# Altium PCB UVM AERO BSPD.PcbDoc (part 2 of 2)
Units mil, origin at the board's own origin, x right, y up, seen from the top; angles counter-clockwise.
Board outline 3235 x 3490 mil, 2 copper layers (Top Layer, Bottom Layer), stack 60.8 mil thick; 126 components, 66 nets, 329 pads, 91 vias.
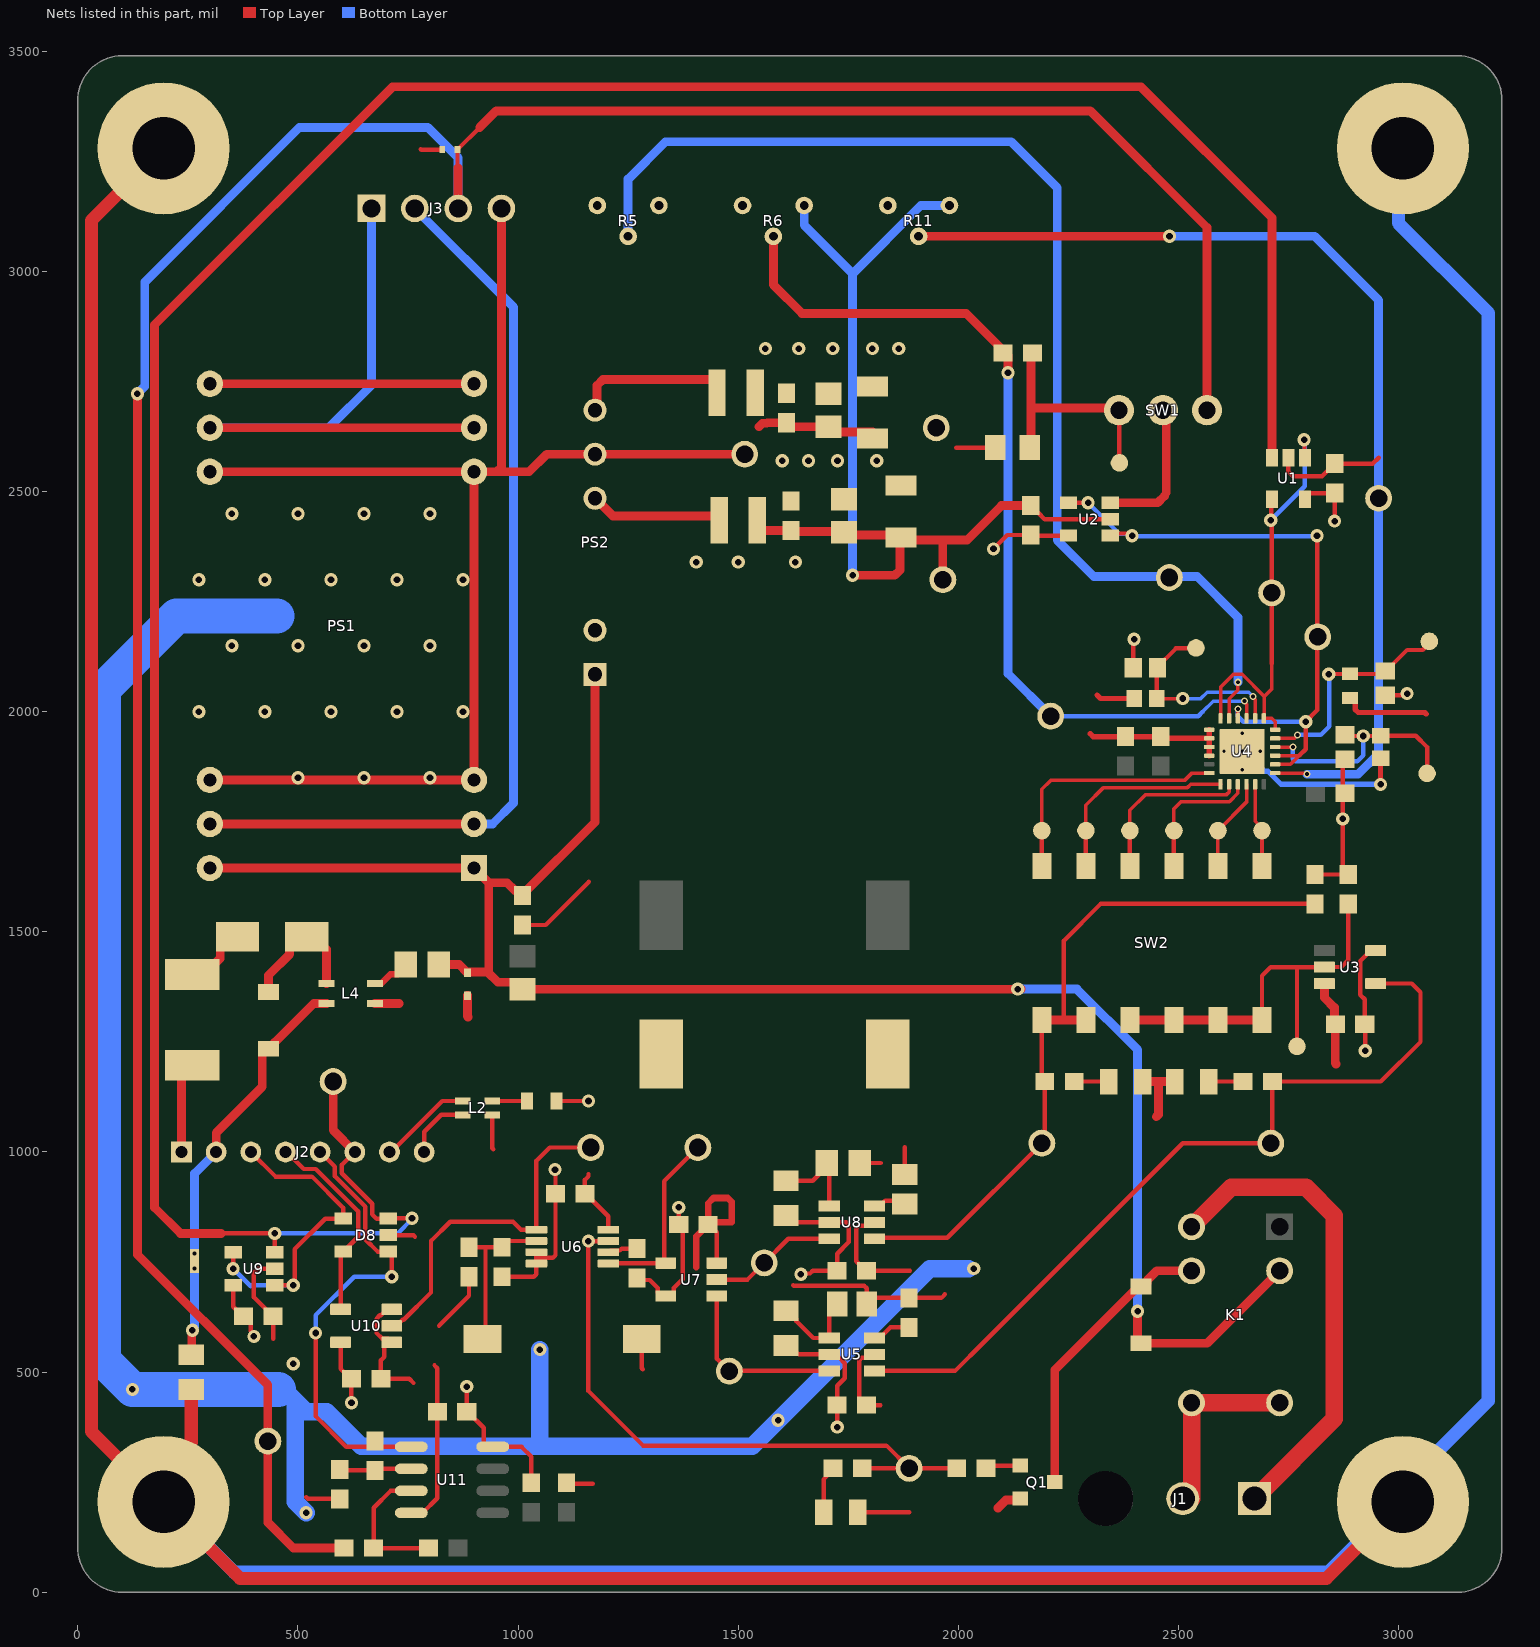
[diagram p2: the nets of this part, all layers, seen from the top]

## Via types
v1: diameter 30, hole 15, Top Layer to Bottom Layer, tented both sides, 79 vias
v2: diameter 16, hole 9, Top Layer to Bottom Layer, tented both sides, 7 vias
v3: diameter 19.68, hole 7.87, Top Layer to Bottom Layer, tented both sides, 5 vias

## Nets (pads, with @x,y where several pads share a name; then routed paths per layer and width w, separated by ;. In a path a pad name is that pad's centre, name@x,y a point inside that pad or via, vN(x,y) a via of type N, cw(c..) or ccw(c..) an arc to the next point about the centre after c; other vN are vias at no path point) (continued)
+5: C2.2 C3.2 C4.2 C10.2 C11.2 C14.2 C15.2 C17.2 C18.2 C19.2 C20.2 C21.2 C22.2 F1.1 FB2.1 L1.2 R3.2 R4.2 R5.1 R6.1 R7.1 R8.2 R9.2 R10.2 R11.1 R16.2 R19.2 R21.2 R22.1 R32.2 TP15.1 U1.5 U2.5 U3.5 U5.5 U6.7 U6.8 U7.5 U8.5 U9.5 U10.5 U11.8 | length 3155.4
  Top Layer w10: U9.5@352.76,697.32 352.76,648.31 374.57,626.5 C20.2@376.54,626.5 378.5,626.5 393.19,611.81 393.19,593.22 400,586.41 v1(400,581) ; U10.5@596.93,567.6 596.93,507.64 619.57,485 C21.2@621.54,485 v1(621.54,430.36) ; v1(883.46,467) C22.2@883.46,410 885.43,410 921.93,373.5 921.93,336.29 928.22,330 U11.8@942.52,330 1007.99,330 1030,307.99 R32.2@1030,248.46 ; R22.1@963.46,716.54 1035.91,716.54 1041.77,722.39 U6.8@1041.77,746.61 1041.77,759.41 ; U6.7@1041.77,772.2 1041.77,759.41 ; v1(1083.96,960) 1085,958.96 C19.2@1085,905 1085,765.27 1079.14,759.41 1041.77,759.41 ; F1.1@1086.93,1115.75 v1(1160,1115.75) ; R19.2@1270.28,713.54 1274.74,709.07 1298.92,709.07 1317.14,690.85 1317.14,680.39 1324.94,672.6 U7.5@1335.39,672.6 1345.85,672.6 1353.65,680.39 1353.65,690.85 1373.78,710.98 1373.78,826.22 C18.2@1365,835 v1(1365,874) ; R16.2@1608.46,560.63 1627.09,542.01 1635.86,542.01 1637.87,540 U5.5@1706.89,540 1714.09,532.8 1729.06,532.8 1741.91,519.95 1741.91,485.84 1725,468.93 C17.2@1725,425 v1(1725,375) ; R21.2@1608.46,855.63 1624.09,840 U8.5@1706.89,840 1745.67,840 1751.53,834.14 1751.53,795.46 1725,768.93 C15.2@1725,730 1669.29,730 1663.14,723.85 1644.42,723.85 v1(1642.57,722) ; 1995,2600 R3.2@2083.82,2600 ; v1(2080,2370) 2111.54,2401.54 C11.2@2165,2401.54 2166.54,2400 U2.5@2250.51,2400 ; R10.2@2397.44,2100 2397.44,2162.72 v1(2399.41,2164.68) ; U1.5@2787.4,2482.76 2787.4,2487.76 2796.18,2496.54 C10.2@2855,2496.54 v1(2855,2433) ; R7.1@2810.5,1630.31 R4.2@2885.86,1630.31 2873.46,1642.71 v1(2873.46,1756.5) 2873.46,1887.25 R8.2@2878.5,1892.28 ; v1(2924.5,1230) 2924.5,1288.96 C14.2@2923.46,1290 2923.46,1346.75 2913.45,1356.76 2913.45,1433.61 2937.24,1457.4 U3.5@2948.07,1457.4 ; R9.2@2970,2037.44 3015.93,2037.44 v1(3019.65,2041.16)
  other v1: 1561.93,2825 1637.82,2825 1715,2825 1805,2825 1865,2825
+5_EXT: J2.7 L2.3 | length 214.7
  Top Layer w10: J2.7@707.95,1000 712.03,1000 827.78,1115.75 L2.3@874.7,1115.75
+5_EXT_F: F1.2 L2.4 | length 78.4
  Top Layer w10: L2.4@941.63,1115.75 F1.2@1020,1115.75
+5_OUT: L1.1 PS2.7 | length 355.3
  Top Layer w20: PS2.7@1175,2685 1179.37,2689.37 1179.37,2741.14 1193.23,2755 1442.01,2755 1451.69,2745.31 L1.1@1451.69,2730
+12: C1.2 D3.1 D6.2 FB1.2 K1.2 PS1.1 PS1.24 PS2.1 R1.1 | length 4248.1
  Top Layer w20: PS1.24@300,1645 PS1.1@900,1645 933.31,1611.69 ; FB1.2@819.8,1425.75 866.36,1425.75 D3.1@885,1407.11 886.52,1408.62 933.31,1408.62 933.31,1611.69 ; 931.11,1408.62 954.44,1385.3 994.41,1385.3 R1.1@1010,1369.7 2142.97,1369.7 2143.2,1369.94 v1(2135.36,1369.94) ; C1.2@1010,1582.48 1010,1584.45 1000.31,1594.13 992.35,1594.13 974.8,1611.69 933.31,1611.69 ; C1.2@1010.55,1585 1175,1749.45 PS2.1@1175,2085 ; v1(2407.42,638.01) 2407.42,573.36 D6.2@2415.28,565.5 2565.5,565.5 K1.2@2730,730
  Bottom Layer w20: v1(2135.36,1369.94) 2269.58,1369.94 2407.42,1232.09 v1(2407.42,638.01)
+15: J3.1 PS1.11 PS1.14 | length 1408.5
  Top Layer w20: PS1.14@300,2645 PS1.11@900,2645
  Bottom Layer w20: PS1.14@300,2645 570,2645 667,2742 J3.1@667.03,3143.31
-5: C5.1 C6.1 C7.1 C11.1 L3.2 R6.3 R11.3 TP16.1 U2.2 | length 2322.1
  Top Layer w10: C11.1@2165,2468.46 2165,2466.5 2179.69,2451.81 2181.65,2451.81 2196.06,2437.4 U2.2@2345,2437.4
  Top Layer w20: L3.2@1543.31,2445 1543.31,2421.22 1552.99,2411.54 C5.1@1620,2411.54 1621.97,2409.57 1738.03,2409.57 C6.1@1740,2407.6 1745.83,2401.77 1864.17,2401.77 1867.66,2398.28 1867.66,2321.72 1855.94,2310 v1(1760,2310) ; C7.1@1875.94,2390 1965,2390 ; TP16.1@1965,2300 1965,2390 ; C11.1@2165,2468.46 2098.46,2468.46 2020,2390 1965,2390
  Bottom Layer w20: R6.3@1650,3150 1650,3105 1760,2995 ; v1(1760,2310) 1760,2995 ; R11.3@1980,3150 1915,3150 1760,2995
-5_OUT: L3.1 PS2.5 | length 298.3
  Top Layer w20: PS2.5@1175,2485 1215,2445 L3.1@1456.69,2445
-15: J3.2 PS1.2 PS1.23 | length 2153
  Top Layer w20: PS1.23@300,1745 PS1.2@900,1745
  Bottom Layer w20: J3.2@765.45,3143.31 989.86,2918.9 989.86,1793.03 941.83,1745 PS1.2@900,1745
\OOR_FLT: R4.1 SW2.9 SW2.10 SW2.11 SW2.12 TP7.1 U3.2 | length 919
  Top Layer w10: SW2.12@2690,1299.61 2690,1400.31 2709.68,1420 2769.53,1420 ; TP7.1@2769.53,1240 2769.53,1420 ; R4.1@2885.86,1563.39 2885.86,1435.54 2870.55,1420.24 2832.17,1420.24 U3.2@2831.93,1420 2769.53,1420
  Top Layer w20: SW2.9@2390,1299.61 SW2.10@2490,1299.61 SW2.11@2590,1299.61 SW2.12@2690,1299.61
\RST: C16.1 R22.2 SW3.1 U6.6 | length 391.7
  Top Layer w10: C16.1@888.46,783.46 925.96,783.46 ; SW3.1@925.96,550.96 925.96,783.46 ; U6.6@1041.77,797.8 977.8,797.8 R22.2@963.46,783.46 925.96,783.46
BRAKE_BUF: TP3.1 U1.1 U1.4 U4.6 U4.7 U4.12 | length 1013.6
  Top Layer w8: U4.12@2595.79,1984.8 2595.79,2055.52 2625.26,2085 2644.95,2085 2695.2,2034.75 ; U4.7@2694.21,1984.8 2694.21,1984.92 2694.29,1985 2712.3,1985 2719.8,1977.5 U4.6@2719.8,1959.21 ; U4.7@2695.2,1985 2695.2,2034.75 ; 2712,2109.36 2712,2051.54 2695.2,2034.75
  Top Layer w10: 2712,2109.36 TP3.1@2712,2270 2712,2433 v1(2710,2435) 2711.3,2436.3 2711.3,2481.46 U1.4@2712.6,2482.76 ; v1(2785.57,2617.66) 2786.48,2616.75 2786.48,2578.16 U1.1@2787.4,2577.24
  Bottom Layer w10: v1(2710,2435) 2787.4,2512.4 2787.4,2615.83 v1(2785.57,2617.66)
BRAKE_IN: D8.3 J2.6 TP1.1 U1.3 U9.3 | length 6581.7
  Top Layer w10: 325.13,815 v1(447.24,815) U9.3@447.24,772.12 ; J2.6@629.21,1000 599.68,970.47 599.68,951.73 668.95,882.47 668.95,858.15 678.69,848.4 D8.3@704.98,848.4 ; D8.3@704.98,849.3 v1(759.1,849.3)
  Top Layer w20: 325.13,815 233.1,815 174.15,873.95 174.15,2879.15 715,3420 2415,3420 2712.6,3122.4 U1.3@2712.6,2577.24 ; TP1.1@580,1171 580,1049.21 J2.6@629.21,1000
  Bottom Layer w10: v1(447.24,815) 726.6,815 759.1,847.5 v1(759.1,849.3) ; J2.6@629.21,1000 J2.6@636.12,993.1
BRAKE_OOR_H: R10.1 R14.2 TP20.1 U4.8 | length 459
  Top Layer w8: R14.2@2450.59,2030 v1(2510,2030) ; v2(2669.75,2034.75) 2669.75,2032.58 2674.53,2027.8 U4.8@2674.53,1984.8
  Top Layer w10: R14.2@2450.59,2030 2450.59,2100 2494.49,2143.9 2538.9,2143.9 TP20.1@2540,2145
  Bottom Layer w8: v1(2510,2030) 2551.16,2030 2565.5,2044.33 2660.16,2044.33 v2(2669.75,2034.75)
BRAKE_OOR_L: R9.1 R13.2 TP19.1 U4.5 | length 501.9
  Top Layer w8: U4.5@2719.8,1939.53 2764.34,1939.53 2770.3,1945.49 v2(2770.3,1947.4)
  Top Layer w10: v1(2841.77,2085) 2842.49,2085.72 2963.16,2085.72 R9.1@2970,2092.56 ; R9.1@2971.97,2092.56 3019.65,2140.24 3055.24,2140.24 TP19.1@3065,2150
  Bottom Layer w10: v2(2770.3,1947.4) 2823.21,1947.4 2842.54,1966.73 2842.54,2084.23 v1(2841.77,2085)
BRAKE_OUT: D8.4 J2.3 U9.1 U9.4 | length 749.1
  Top Layer w10: v1(352.76,734.72) U9.4@352.76,772.12 U9.4@358.66,772.12 ; J2.3@392.99,1000 448.99,944 531.8,944 603.02,872.79 D8.4@603.02,848.4 561.87,848.4 492.31,778.84 492.31,700.27 v1(489.37,697.32) U9.1@447.24,697.32
  Bottom Layer w10: v1(352.76,734.72) 392.86,694.62 395.56,697.32 v1(489.37,697.32)
BRAKE_THRESH: R5.2 TP6.1 U4.11 | length 2704.6
  Top Layer w8: U4.11@2615.47,1984.8 2615.47,2029.35 2635.16,2049.04 v2(2635.16,2067)
  Bottom Layer w10: 2635,2215 2635.16,2214.84
  Bottom Layer w20: R5.2@1250,3080 1250,3210 1335,3295 2120,3295 2225,3190 2225,2825 2225,2390 2307.68,2307.32 2479.57,2307.32 2542.68,2307.32 2635,2215 ; v2(2635.16,2067) 2635.16,2214.84
BSPD_FLT: R7.2 R20.1 SW2.7 SW2.8 TP25.1 U8.1 | length 1637.4
  Top Layer w10: U8.1@1810.04,802.6 1812.26,804.82 1974.82,804.82 TP25.1@2190,1020 ; SW2.7@2190,1299.61 2190,1166.54 R20.1@2196.54,1160 TP25.1@2196.54,1020 ; 2240,1300 2240,1480 2323.39,1563.39 R7.2@2810.5,1563.39
  Top Layer w20: SW2.7@2190,1299.61 SW2.8@2290,1299.61
BSPD_OK: R25.1 R26.1 TP27.1 U6.3 | length 1402.1
  Top Layer w10: U6.3@1205.16,797.8 1204.95,797.58 1159.99,797.58 v1(1159.78,797.37) 1159.78,456.95 1283.8,332.93 1836.87,332.93 TP27.1@1888.5,281.3 ; R26.1@1781.93,281.3 TP27.1@1888.5,281.3 ; R25.1@1996.54,281.3 TP27.1@1888.5,281.3
CHASS: NT1.2 R27.1 | length 197.8
  Top Layer w20: R27.1@254.57,539.37 258.94,543.74 v1@258.94,593.66
  Bottom Layer w20: v1(260.28,595) 260.28,597.71 265.13,602.56 NT1.2@265.13,734.72
CO1: SW2.1 TP8.1 U4.23 | length 191.6
  Top Layer w8: U4.23@2674.53,1835.2 2674.53,1751.43 2690,1735.95 TP8.1@2690,1730
  Top Layer w10: SW2.1@2690,1650 TP8.1@2690,1730
CO2: SW2.2 TP9.1 U4.22 | length 212.1
  Top Layer w8: SW2.2@2590,1650 TP9.1@2590,1730 2654.84,1794.84 U4.22@2654.84,1835.2
CO3: SW2.3 TP10.1 U4.21 | length 309.9
  Top Layer w8: TP10.1@2490,1730 2490,1780 2505.88,1795.88 2616.08,1795.88 2635.08,1814.88 2635.08,1835.12 U4.21@2635.16,1835.2
  Top Layer w10: SW2.3@2490,1650 TP10.1@2490,1730
CO4: SW2.4 TP11.1 U4.20 | length 379.2
  Top Layer w8: TP11.1@2390,1730 2390,1775.88 2426,1811.88 2609.46,1811.88 2615.31,1817.74 2615.31,1826.42 2615.39,1826.5 U4.20@2615.39,1828.39
  Top Layer w10: SW2.4@2390,1650 TP11.1@2390,1730
CO5: SW2.5 TP12.1 U4.19 | length 463.3
  Top Layer w8: TP12.1@2290,1740 2290,1787.88 2330,1827.88 2520.74,1827.88 2528.06,1835.2 U4.19@2595.79,1835.2
  Top Layer w10: SW2.5@2290,1650 TP12.1@2290,1730 TP12.1@2290,1740
CO6: SW2.6 TP13.1 U4.18 | length 569.4
  Top Layer w8: TP13.1@2190,1730 2190,1823.88 2210,1843.88 2514.12,1843.88 2531.02,1860.79 U4.18@2570.2,1860.79
  Top Layer w10: SW2.6@2190,1650 TP13.1@2190,1730
CUR_BUF: TP4.1 U2.1 U2.4 U4.2 U4.3 U4.10 | length 1462.3
  Top Layer w8: U4.10@2635.16,1984.8 v2(2635.16,2005.9) ; U4.2@2719.8,1880.47 2754.74,1880.47 2774.59,1900.33 2775.75,1901.49 ; U4.3@2719.8,1900.16 2774.42,1900.16
  Top Layer w10: U2.4@2250.51,2474.8 2250.61,2474.9 2294.9,2474.9 v1(2295,2475) ; U2.1@2345,2400 2350,2405 v1@2384.59,2405 ; 2775.75,1901.49 2789.3,1915.04 v1(2789.3,1977.5) 2815.77,2003.96 2815.77,2170 2815.77,2399.23 v1(2815,2400)
  Bottom Layer w10: v1(2295,2475) 2366.17,2403.83 v1@2391.17,2403.83 ; v1@2396,2399 2814,2399 v1(2815,2400) ; v2(2635.16,2005.9) 2635.16,1990 2647.66,1977.5 v1(2789.3,1977.5)
  other v1: 2395,2400
CUR_BUF_IN: SW1.2 U2.3 | length 320.5
  Top Layer w20: U2.3@2345,2474.8 2453.27,2474.8 2468.47,2490 ; SW1.2@2465,2685 2472.29,2677.71 2472.29,2497.29
CUR_IN: D9.1 J3.3 R30.1 SW1.3 TP5.1 | length 6544.1
  Top Layer w10: 863.88,3235.82 862.45,3237.26 D9.1@862.45,3277 912.85,3327.4
  Top Layer w20: v1(135.29,2722.31) 135.29,767.16 431.6,470.85 TP5.1@431.6,343.2 431.6,158.4 490,100 R30.1@605,100 ; J3.3@863.88,3143.31 863.88,3235.82 ; 912.85,3327.4 950.45,3365 2300,3365 2565,3100 SW1.3@2565,2685
  Bottom Layer w20: v1(135.29,2722.31) 152,2739.02 152,2976 503.4,3327.4 795,3327.4 863.88,3258.52 J3.3@863.88,3143.31
CUR_OOR_H: R8.1 R12.2 TP18.1 U4.4 | length 537.6
  Top Layer w8: U4.4@2719.8,1919.84 v2@2760,1919.84
  Top Layer w10: R8.1@2878.5,1947.4 2880.9,1945 v1(2920,1945) 2959.41,1945 R12.2@2960,1945.59 3039.41,1945.59 3065,1920 TP18.1@3065,1860
  Bottom Layer w10: v2(2760,1920) 2760,1893.11 2765.86,1887.25 2906.41,1887.25 2920,1900.84 v1(2920,1945)
CUR_OOR_L: R11.2 TP21.1 U4.1 | length 2390.8
  Top Layer w8: U4.1@2719.8,1860.79 2789.45,1860.79 v2(2792.11,1858.13)
  Top Layer w20: R11.2@1910,3080 v1(2480,3080)
  Bottom Layer w20: v1(2480,3080) 2810,3080 2955,2935 2955,2305 2955,1905 2908.13,1858.13 v2(2792.11,1858.13)
CUR_OUT: D8.1 J2.5 R28.1 U11.1 | length 1047.7
  Top Layer w10: v1(540,588.82) 540,400 610,330 U11.1@757.48,330 ; J2.5@550.47,1000 583.68,966.79 583.68,945.1 652.95,875.84 652.95,801.59 680.94,773.6 701.78,773.6 713.07,762.31 v1(713.07,716.54)
  Bottom Layer w10: v1(540,588.82) 540,628.76 627.78,716.54 v1(713.07,716.54)
CUR_TEST: R2.2 R3.1 SW1.1 TP2.1 | length 532
  Top Layer w10: SW1.1@2365,2685 2366.17,2683.83 TP2.1@2366.17,2565.46
  Top Layer w20: R3.1@2162.56,2600 2165.41,2602.84 2165.41,2690 ; R2.2@2168.25,2815 2165.41,2812.16 2165.41,2690 ; SW1.1@2360,2690 2165.41,2690
CUR_THRESH: R2.1 R6.2 TP14.1 U4.9 | length 2076.2
  Top Layer w8: v2(2650.6,2023.9) 2650.6,2021.74 2655,2017.34 2655,1984.96 U4.9@2654.84,1984.8
  Top Layer w20: R6.2@1580,3080 1580,2970 1645,2905 2017.63,2905 R2.1@2112.94,2809.69 ; R2.1@2101.32,2815 2103.32,2815 2112.82,2805.5 2112.82,2803.5 2113.09,2803.23 v1(2113.09,2770)
  Bottom Layer w8: 2555,2000 2578.9,2023.9 v2(2650.6,2023.9)
  Bottom Layer w10: TP14.1@2210,1990 2545,1990 2555,2000
  Bottom Layer w20: v1(2113.09,2770) 2113.09,2086.91 TP14.1@2210,1990
D+: D1.2 D2.1 L4.1 | length 304.5
  Top Layer w20: D2.1@433,1363.37 433,1401.43 481.1,1449.53 481.1,1465.28 504.57,1488.74 D1.2@520.31,1488.74 536.06,1488.74 564.88,1459.92 L4.1@564.88,1382.64
F_DIV: R21.1 R24.1 U8.4 | length 214.6
  Top Layer w10: R21.1@1608.46,934.37 1669.29,934.37 1705,970.08 1705,975 1706.89,973.11 U8.4@1706.89,877.4
F_SET: R23.2 U8.3 | length 73.4
  Top Layer w10: U8.3@1810.04,877.4 1821.85,877.4 1833.86,889.41 R23.2@1878.46,889.41
FAULT_BUF: D8.5 J2.4 U10.4 | length 460.3
  Top Layer w10: J2.4@471.73,1000 474.27,1000 512.89,961.38 540.48,961.38 636.95,864.91 636.95,807.53 D8.5@603.02,773.6 596.93,767.51 U10.4@596.93,642.4
FAULT_DET: TP28.1 U6.5 U10.2 | length 794.8
  Top Layer w10: U10.2@713.07,605 723.9,605 737.5,618.61 740.12,618.61 802.17,680.66 802.17,797.86 845.69,841.37 988.63,841.37 1006.61,823.39 U6.5@1041.77,823.39 1041.77,980 1071.77,1010 TP28.1@1164.8,1010
FAULT_EN: R19.1 U6.2 | length 74
  Top Layer w10: U6.2@1201.3,768.35 U6.2@1205.16,772.2 1209.02,776.06 1231.37,776.06 1235.78,780.47 R19.1@1270.28,780.47
FAULT_TIM: TP26.1 U7.2 U8.6 | length 293.7
  Top Layer w10: U7.2@1451.54,710 1521.25,710 TP26.1@1559.25,748 1613.85,802.6 1651.06,802.6 U8.6@1706.89,802.6
FLT_LED: D5.A R20.2 | length 78
  Top Layer w10: R20.2@2263.46,1160 D5.A@2341.42,1160
FUSED: D1.1 F2.2 | length 153.4
  Top Layer w20: F2.2@260,1402.95 286.97,1402.95 323.62,1439.61 323.62,1465.28 347.09,1488.74 D1.1@362.83,1488.74
GND: C1.1 C2.1 C3.1 C4.1 C5.2 C6.2 C7.2 C8.2 C9.2 C10.1 C12.1 C13.1 C14.1 C15.1 C16.2 C17.1 C18.1 C19.1 C20.1 C21.1 C22.1 D3.2 D4.C D5.C D7.C D8.2 D9.2 J3.4 L2.1 L4.3 PS1.3 PS1.10 PS1.12 PS1.13 PS1.15 PS1.22 PS2.2 PS2.6 Q1.2 R5.3 R12.1 R13.1 R14.1 R17.1 R18.2 R23.1 R24.2 R29.1 R33.1 SW3.2 TP17.1 U1.2 U3.3 U4.13 U4.14 U4.15 U4.16 U4.25 U5.2 U6.4 U7.3 U8.2 U9.2 U10.1 U10.3 U11.4 | length 13757.9
  Top Layer w10: 443.46,575.38 C20.1@443.46,626.5 400,669.96 400,726.53 408.19,734.72 U9.2@447.24,734.72 ; 518.54,216.16 522.08,212.62 593.91,212.62 R29.1@595,211.54 ; D8.2@704.98,811 762.46,811 765.93,807.53 ; U10.3@713.07,642.4 702.24,642.4 688.64,628.8 686.02,628.8 678.45,621.23 678.45,588.77 691.83,575.39 705.28,575.39 U10.1@713.07,567.6 704.16,567.6 696.37,559.8 696.37,534.66 688.46,526.75 C21.1@688.46,485 752.6,485 762.4,475.19 ; U11.4@757.48,180 783.07,180 816.54,213.46 C22.1@816.54,410 816.54,508.57 810.1,515 ; 779,3278 780,3277 D9.2@828,3277 ; 820.41,605 888.46,673.05 C16.2@888.46,716.54 ; L2.1@941.63,1084.25 941.63,1008.42 943.96,1006.09 ; C1.1@1010,1515.55 1062.97,1515.55 1160.98,1613.56 ; R33.1@1110,248.46 1111.96,246.5 1170,246.5 ; 1160,950 1160,944.59 1151.93,936.52 C19.1@1151.93,905 1153.9,905 1205.16,853.74 U6.4@1205.16,823.39 ; SW3.2@1280.91,575 1280.91,508.23 1283.04,506.1 ; C18.1@1433.9,835 1451.54,817.36 U7.3@1451.54,747.4 ; 1625,697 1626,696 1786.07,696 1791.93,690.14 R18.2@1791.93,655 1805.39,668.46 R17.1@1888.46,668.46 1961.75,668.46 1969.78,676.5 ; D7.C@1772.05,181.3 1888.5,181.3 ; R24.2@1775.87,975 1824.19,975 ; U5.2@1810.04,540 1802.83,532.8 1781.13,532.8 1775.02,526.69 1775.02,485.84 1775.28,485.59 1775.28,439.69 1789.96,425 C17.1@1791.93,425 1823.46,425 ; U8.2@1810.04,840 1802.83,832.8 1774.57,832.8 1768.46,826.69 1768.46,751.5 1789.96,730 C15.1@1791.93,730 1890.38,730 ; R23.1@1865.47,935.47 R23.1@1878.46,948.46 1878.46,1010.53 ; U1.2@2750,2577.24 2750,2545.02 2760.2,2534.82 2826.36,2534.82 2838.35,2546.81 2840.31,2546.81 2855,2561.5 C10.1@2855,2563.46 2941.22,2563.46 2955,2577.24
  Top Layer w12: 2300,1950 2306.54,1943.46 C12.1@2380,1943.46 C13.1@2460,1943.46 2463.94,1939.53 U4.14@2570.2,1939.53 ; 2315,2038.19 2323.19,2030 R14.1@2399.41,2030 ; U4.16@2570.2,1900.16 U4.15@2570.2,1919.84 U4.14@2570.2,1939.53 ; U4.13@2570.2,1959.21 U4.14@2570.2,1939.53 ; R13.1@2890,2031.32 2893.94,2031.32 2901.72,2023.54 2901.72,2005.1 2908.75,1998.07 3059.9,1998.07 3062.97,1995 ; v1(2959.41,1835) 2959.41,1893.82 R12.1@2960,1894.41
  Top Layer w15: 1404.95,738.47 1404.95,808.02 C18.1@1431.93,835 1431.93,883.28 1444.06,895.41 1476.34,895.41 1485.39,886.36 1485.39,840 1438.9,840 C18.1@1433.9,835
  Top Layer w20: PS1.22@300,1845 PS1.3@900,1845 PS1.10@900,2545 ; PS1.15@300,2545 PS1.10@900,2545 ; PS1.13@300,2745 PS1.12@900,2745 ; L4.3@675.12,1337.36 729.41,1337.36 ; D3.2@885,1355.14 885,1308.37 886.52,1306.85 ; J3.4@962.3,3143.31 962.3,2555.4 951.9,2545 ; TP17.1@1510.33,2585 PS2.6@1175,2585 1065,2585 1025,2545 951.9,2545 ; 1547.46,2647.6 1555.21,2655.35 1564.93,2655.35 1566.12,2656.54 C2.1@1610,2656.54 1618.94,2647.6 C3.1@1705,2647.6 1717.13,2635.47 C4.1@1805.4,2635.47 ; 2090,190.94 2108.2,209.14 2137.17,209.14 Q1.2@2140.63,212.6 ; D5.C@2418.58,1160 2455,1160 ; 2450,1080 2455,1085 2455,1160 ; D4.C@2491.42,1160 2455,1160 ; U3.3@2831.93,1382.6 2831.93,1350.51 2854.47,1327.97 2854.47,1299.69 2856.54,1297.62 2856.54,1201.75 2858.28,1200 ; PS1.10@900,2545 951.9,2545
  Bottom Layer w10: 30,551.4 58.46,579.86
  Bottom Layer w12: 2688.19,1880.47 2688.19,1872.72 2696.09,1864.82 2703.84,1864.82 2733.66,1835 v1(2959.41,1835)
  Bottom Layer w40: 432.45,466.73 461.77,466.73 493.76,434.75 ; v1(518.54,180.52) 493.76,205.3 493.76,434.75 ; v1(1049.7,550.96) 1049.7,331.24 ; v1@2023.85,735.11 1935.53,735.11 1531.66,331.24 1049.7,331.24 ; 493.76,434.75 519.07,409.44 565.78,409.44 643.97,331.24 1049.7,331.24
  Bottom Layer w80: 452.01,2217.35 224.17,2217.35 58.46,2051.64 58.46,579.86 58.46,526.12 v1(123.96,460.63) 455.03,460.63
  other v1: 1590.65,390.47 489.37,518.65 2035.13,735.11 500,1850 650,1850 800,1850 275,2000 425,2000 575,2000 725,2000 875,2000 350,2150 500,2150 650,2150 800,2150 275,2300 425,2300 575,2300 725,2300 875,2300 1405,2340 1500,2340 1630,2340 350,2450 500,2450 650,2450 800,2450 1600,2570 1659.75,2570 1725.59,2570 1815,2570
  other v3: 2645,1868.66 2603.66,1910 2645,1910 2686.34,1910 2645,1951.34
GND_EXT: J2.8 L2.2 | length 149.7
  Top Layer w10: J2.8@786.69,1000 786.69,1045.69 825.25,1084.25 L2.2@874.7,1084.25
IN+: F2.1 J2.1 | length 207.2
  Top Layer w20: J2.1@235.51,1000 235.51,1172.56 F2.1@260,1197.05
IN-: D2.2 J2.2 L4.2 NT1.1 | length 716
  Top Layer w20: J2.2@314.25,1000 314.25,1043.22 418.98,1147.95 418.98,1226.72 426.9,1234.63 D2.2@433,1234.63 439.1,1234.63 447.02,1242.54 447.02,1248.65 535.73,1337.36 L4.2@564.88,1337.36
  Bottom Layer w20: NT1.1@265.13,769.72 265.13,950.88 J2.2@314.25,1000
L+: FB1.1 L4.4 | length 90
  Top Layer w15: L4.4@675.12,1382.64 675.49,1383.01 689.3,1383.01 710.05,1403.76 726.91,1403.76 745,1421.85 FB1.1@745,1425.75
LATCH_IN: TP24.1 U6.1 U7.4 | length 426
  Top Layer w10: U6.1@1205.16,746.61 1205.55,747.01 1335,747.01 U7.4@1335.39,747.4 1332.35,750.45 1332.35,810.76 1332.35,859.24 1332.35,933.88 TP24.1@1408.46,1010
MTG: MTG1.1 MTG2.1 MTG3.1 MTG4.1 R27.2 | length 12658.6
  Top Layer w30: MTG1.1@195,3280 31,3116 31,364.78 190.78,205 MTG4.1@195,205 ; R27.2@257.6,458.66 257.6,340.66 195,278.06 MTG4.1@195,205 ; MTG3.1@3010,205 2836,31 369,31 MTG4.1@195,205
  Bottom Layer w30: MTG4.1@195,205 355,45 2840,45 3000,205 3000,230.77 3204,434.77 3204,2906 3000,3110 MTG2.1@3000,3305
O_DIV: R16.1 R18.1 U5.4 | length 212.1
  Top Layer w10: R16.1@1608.46,639.37 1613.39,639.37 1632.01,620.75 1632.01,615.83 1670.43,577.4 U5.4@1706.89,577.4 1706.89,636.89 R18.1@1725,655
O_SET: R17.2 U5.3 | length 88.4
  Top Layer w10: U5.3@1810.04,577.4 1821.85,577.4 1845.98,601.54 R17.2@1888.46,601.54
OOR_FLT: R15.1 TP22.1 U3.4 U5.1 | length 1852.5
  Top Layer w10: U5.1@1810.04,502.6 1992.6,502.6 2059.04,569.04 2510,1020 TP22.1@2710,1020 2713.46,1023.46 R15.1@2713.46,1160 2960,1160 3050,1250 3050,1362.91 3030.32,1382.6 U3.4@2948.07,1382.6
OOR_LED: D4.A R15.2 | length 78
  Top Layer w10: D4.A@2568.58,1160 R15.2@2646.54,1160
OOR_TIM: TP23.1 U5.6 U7.1 | length 409.3
  Top Layer w10: U7.1@1451.54,672.6 1451.54,530.63 TP23.1@1480,502.17 1480.43,502.6 U5.6@1706.89,502.6
RELAY-: D6.1 K1.9 Q1.3 | length 662.1
  Top Layer w20: Q1.3@2219.37,250 2219.37,504.6 2401.28,686.51 2409.27,694.5 D6.1@2415.28,694.5 2421.28,694.5 2429.27,702.49 2429.27,708.5 2450.78,730 K1.9@2530,730
RELAY_CRTL: Q1.1 R25.2 | length 73.2
  Top Layer w10: R25.2@2068.46,290 2071.06,287.4 Q1.1@2140.63,287.4
RL_LED: D7.A R26.2 | length 96.6
  Top Layer w10: D7.A@1694.88,181.3 1694.88,256.8 1709.38,271.3 R26.2@1710,271.3
SHDN_IN: J1.2 K1.5 K1.6 | length 437.6
  Top Layer w40: J1.2@2510,212.44 2530,212.44 K1.6@2530,430 K1.5@2730,430
SHDN_OUT: J1.1 K1.10 | length 1106.8
  Top Layer w40: K1.10@2530,830 2620,920 2790,920 2854.57,855.43 2854.57,658.5 2854.57,394.02 J1.1@2672.99,212.44
VN: R28.2 R29.2 U11.2 | length 164.7
  Top Layer w10: R29.2@595,278.46 596.93,276.54 R28.2@675,276.54 678.46,280 U11.2@757.48,280
VP: R30.2 R31.2 U11.3 | length 318.1
  Top Layer w10: U11.3@757.48,230 710.2,230 671.93,191.73 R30.2@671.93,100 R31.2@796.85,100
pads on no net: J1.3 K1.1 U3.1 U4.17

## Polygon pours and split planes (outlines as drawn)
MTG on Top Layer "TOP_MTG" (solid, remove dead copper, pour order 34): 3235,100 cw(c3135,100) 3135,0 100,0 cw(c100,100) 0,100 0,3390 cw(c100,3390) 100,3490 3135,3490 cw(c3135,3390) 3235,3390
GND on Top Layer "TOP_GND" (solid, remove dead copper, pour order 23): 3235,100 cw(c3135,100) 3135,0 100,0 cw(c100,100) 0,100 0,3390 cw(c100,3390) 100,3490 3135,3490 cw(c3135,3390) 3235,3390
GND on Top Layer "GND_PSU" (solid, remove dead copper, pour order 22): 1134.18,2709.64 1134.18,2526 1930,2330 1930,2706.71
+5 on Top Layer "+5_TOP" (solid, remove dead copper, pour order 21): 1510,2850 1510,2702 1880,2702 1880,2580.04 2018.48,2576.75 2016.52,2796.3 1865,2850
CHASS on Bottom Layer "BOT_CHASS_SHLD" (solid, remove dead copper, pour order 33): 3235,100 cw(c3135,100) 3135,0 100,0 cw(c100,100) 0,100 0,3390 cw(c100,3390) 100,3490 3135,3490 cw(c3135,3390) 3235,3390
MTG on Bottom Layer "BOT_MTG" (solid, remove dead copper, pour order 28): 3235,100 cw(c3135,100) 3135,0 100,0 cw(c100,100) 0,100 0,3390 cw(c100,3390) 100,3490 3135,3490 cw(c3135,3390) 3235,3390
GND on Bottom Layer "BOT_GND_SHLD" (solid, remove dead copper, pour order 27): 3235,100 cw(c3135,100) 3135,0 100,0 cw(c100,100) 0,100 0,3390 cw(c100,3390) 100,3490 3135,3490 cw(c3135,3390) 3235,3390
+5 on Bottom Layer "BOT_+5" (solid, remove dead copper, pour order 26): 3235,100 cw(c3135,100) 3135,0 100,0 cw(c100,100) 0,100 0,3390 cw(c100,3390) 100,3490 3135,3490 cw(c3135,3390) 3235,3390
GND on Bottom Layer "BOT_GND_LOWER" (solid, remove dead copper, pour order 25): 227.85,2598.03 957.54,2598.03 957.54,1808.69 239.18,1808.69 239.18,1870.68
GND on Bottom Layer "BOT_GND_PS" (solid, remove dead copper, pour order 24): 1900,2794.31 1900,2040 1130,2040 1085,2085 1085,2790

## Keep-outs
Keep-Out Layer:
  lines w10: 0,100 ccw(c100,100) 100,0 3135,0 ccw(c3135,100) 3235,100 3235,3390 ccw(c3135,3390) 3135,3490 100,3490 ccw(c100,3390) 0,3390 0,100
  lines w20: 0,100 ccw(c100,100) 100,0 3135,0 ccw(c3135,100) 3235,100 3235,3390 ccw(c3135,3390) 3135,3490 100,3490 ccw(c100,3390) 0,3390 0,100

## Other copper
Top Layer:
  rectangle net GND: 2430.09,1131.03 2490,1179.4
  rectangle net GND: 2570.2,1893.97 2597.52,1949.37
  rectangle net +5: 1025,745 1066.38,772.2
  rectangle net 12V_CAP: 1320,1485 1840,1590
  rectangle net GND: 1280,1160 1855,1270
  pour cut-out: 2710,2598.05 2710.34,2597.71 2838.35,2597.71 2838.35,2524.45 2835.29,2521.39 2710,2521.39
  pour cut-out: 1131,919.08 1222.42,919.08 1222.42,812.51 1131,812.51
  pour cut-out: 384.5,749.67 468.66,749.67 468.66,611.61 380.2,611.61
  pour cut-out: 1425.18,826.22 1425.18,738.47 1478.95,738.47 1478.95,826.22
  pour cut-out: 649.04,642.4 713.07,642.4 713.07,485 649.67,485
  pour cut-out: 1756.02,845.51 1789.96,845.51 1789.96,716.11 1757.88,716.11
  pour cut-out: 2489.68,1975.12 2490,1975.12 2490,1890.32 2560.35,1890.32 2560.35,1974.37
  pour cut-out: 1753.55,559.2 1753.55,439.69 1821.85,439.69 1821.85,559.2
  pour cut-out: 784.88,380.32 784.88,164.28 828.91,164.28 828.91,380.32
  region net CUR_BUF: 2754.74,1900.16 2754.74,1880.47 2774.59,1900.33
  pour cut-out: 181.27,1156.01 338.73,1156.01 338.73,1441.01 181.27,1441.01
Bottom Layer:
  rectangle net GND: 16.31,1923.29 588.05,2347.51
  rectangle net GND: 324.89,388.51 540,544.96
  rectangle net GND: 2587.51,1858.82 2702.09,1962.17
  pour cut-out: 2467.88,257.75 2715.12,257.75 2715.12,170 2467.88,170
  pour cut-out: 182.54,1160 340,1160 340,1445 182.54,1445
Multi-Layer:
  pour cut-out: 992.44,1147.24 1114.49,1147.24 1114.49,1084.25 992.44,1084.25

## Silkscreen, mask and mechanical layers (free items; w line width, h text height)
Top Overlay:
  drawing of 12 lines, arcs and shapes, not listed
  text "BRK_TH" at 1115,3285 h50
  text "CUR_TH" at 1450,3285 h50
  text "CUR_L" at 1800,3285 h50
  text "Test     Sensor" at 2195,2760 h50
  text "BRAKE Check" at 1390.89,1704.19 h60
  text "BSPD + CurMon v1.0" at 1376.89,1655.31 h60
  text "FLT" at 2303.94,1020 h50
  text "OOR" at 2461.69,1020 h50
  text "i" at 2890,855.54 h200
  text "BSPD RST" at 923,418 h50
  text "Designed by: / Andrew Katz / aakatz3@gmail.com / '.ModifiedDate'" at 2260,370 h80 r90
  text "RELAY ON" at 1260,150 h50
  text "Shutdown Loop" at 2310.02,0 h50
Bottom Overlay:
  drawing of 23 lines, arcs and shapes, not listed
  text "+15 / -15 / CUR / 0V" at 976,3078 h50 r90
  text "BRAKE Check" at 1915.5,1699.82 h60
  text "BSPD + CurMon v1.0" at 1929.5,1650.94 h60
  text "i" at 3110,855.54 h200
  text "GND_EXT / +5_EXT / BRAKE_IN / CUR_OUT / FAULT_BUF / BRAKE_OUT / IN- / IN+" at 172.95,513.52 h45 r270
Drill Drawing:
  drawing of 152 lines, arcs and shapes, not listed
  text "Symbol" at -473.02,6803.2 h72
  text "Count" at 32.85,6803.2 h72
  text "Hole Size" at 622.7,6803.2 h72
  text "Plated" at 1772.36,6803.2 h72
  text "Hole Type" at 2278.24,6803.2 h72
  text "Via/Pad" at 3012.04,6803.2 h72
  text "Pad Shape" at 3601.89,6803.2 h72
  text "Template" at 4347.68,6803.2 h72
  text "1" at 32.85,6653.2 h60
  text "125.00mil (3.175mm)" at 622.7,6653.2 h60
  text "NPTH" at 1772.36,6653.2 h60
  text "Round" at 2278.24,6653.2 h60
  text "Pad" at 3012.04,6653.2 h60
  text "Rounded" at 3601.89,6653.2 h60
  text "c318hn318m0mx0" at 4347.68,6653.2 h60
  text "2" at 32.85,6503.2 h60
  text "55.00mil (1.397mm)" at 622.7,6503.2 h60
  text "PTH" at 1772.36,6503.2 h60
  text "Round" at 2278.24,6503.2 h60
  text "Pad" at 3012.04,6503.2 h60
  text "(Mixed)" at 3601.89,6503.2 h60
  text "(Mixed)" at 4347.68,6503.2 h60
  text "4" at 32.85,6353.2 h60
  text "41.73mil (1.060mm)" at 622.7,6353.2 h60
  text "PTH" at 1772.36,6353.2 h60
  text "Round" at 2278.24,6353.2 h60
  text "Pad" at 3012.04,6353.2 h60
  text "(Mixed)" at 3601.89,6353.2 h60
  text "(Mixed)" at 4347.68,6353.2 h60
  text "4" at 32.85,6203.2 h60
  text "142.00mil (3.607mm)" at 622.7,6203.2 h60
  text "PTH" at 1772.36,6203.2 h60
  text "Round" at 2278.24,6203.2 h60
  text "Pad" at 3012.04,6203.2 h60
  text "Rounded" at 3601.89,6203.2 h60
  text "c762h361" at 4347.68,6203.2 h60
  text "5" at 32.85,6053.2 h60
  text "7.87mil (0.200mm)" at 622.7,6053.2 h60
  text "PTH" at 1772.36,6053.2 h60
  text "Round" at 2278.24,6053.2 h60
  text "Via" at 3012.04,6053.2 h60
  text "Rounded" at 3601.89,6053.2 h60
  text "v50h20" at 4347.68,6053.2 h60
  text "5" at 32.85,5903.2 h60
  text "32.28mil (0.820mm)" at 622.7,5903.2 h60
  text "PTH" at 1772.36,5903.2 h60
  text "Round" at 2278.24,5903.2 h60
  text "Pad" at 3012.04,5903.2 h60
  text "(Mixed)" at 3601.89,5903.2 h60
  text "(Mixed)" at 4347.68,5903.2 h60
  text "8" at 32.85,5753.2 h60
  text "27.56mil (0.700mm)" at 622.7,5753.2 h60
  text "PTH" at 1772.36,5753.2 h60
  text "Round" at 2278.24,5753.2 h60
  text "Pad" at 3012.04,5753.2 h60
  text "(Mixed)" at 3601.89,5753.2 h60
  text "(Mixed)" at 4347.68,5753.2 h60
  text "9" at 32.85,5603.2 h60
  text "9.00mil (0.229mm)" at 622.7,5603.2 h60
  text "PTH" at 1772.36,5603.2 h60
  text "Round" at 2278.24,5603.2 h60
  text "(Mixed)" at 3012.04,5603.2 h60
  text "(Mixed)" at 3601.89,5603.2 h60
  text "(Mixed)" at 4347.68,5603.2 h60
  text "9" at 32.85,5453.2 h60
  text "20.00mil (0.508mm)" at 622.7,5453.2 h60
  text "PTH" at 1772.36,5453.2 h60
  text "Round" at 2278.24,5453.2 h60
  text "Pad" at 3012.04,5453.2 h60
  text "Rounded" at 3601.89,5453.2 h60
  text "c102h51p25502" at 4347.68,5453.2 h60
  text "9" at 32.85,5303.2 h60
  text "39.37mil (1.000mm)" at 622.7,5303.2 h60
  text "PTH" at 1772.36,5303.2 h60
  text "Round" at 2278.24,5303.2 h60
  text "Pad" at 3012.04,5303.2 h60
  text "(Mixed)" at 3601.89,5303.2 h60
  text "(Mixed)" at 4347.68,5303.2 h60
  text "12" at 32.85,5153.2 h60
  text "30.00mil (0.762mm)" at 622.7,5153.2 h60
  text "PTH" at 1772.36,5153.2 h60
  text "Round" at 2278.24,5153.2 h60
  text "Pad" at 3012.04,5153.2 h60
  text "(Mixed)" at 3601.89,5153.2 h60
  text "(Mixed)" at 4347.68,5153.2 h60
  text "17" at 32.85,5003.2 h60
  text "40.00mil (1.016mm)" at 622.7,5003.2 h60
  text "PTH" at 1772.36,5003.2 h60
  text "Round" at 2278.24,5003.2 h60
  text "Pad" at 3012.04,5003.2 h60
  text "Rounded" at 3601.89,5003.2 h60
  text "c155h102" at 4347.68,5003.2 h60
  text "79" at 32.85,4853.2 h60
  text "15.00mil (0.381mm)" at 622.7,4853.2 h60
  text "PTH" at 1772.36,4853.2 h60
  text "Round" at 2278.24,4853.2 h60
  text "Via" at 3012.04,4853.2 h60
  text "Rounded" at 3601.89,4853.2 h60
  text "v76h38" at 4347.68,4853.2 h60
  text "164 Total" at 32.85,4703.2 h60
Board:
  the board outline again, w1
Sheet:
  drawing of 177 lines, arcs and shapes, not listed
  text "1" at 342.66,7368.55 h48.36
  text "2" at 3085.78,7368.55 h48.36
  text "3" at 5838.91,7368.55 h48.36
  text "4" at 8584.53,7368.55 h48.36
  text "A" at -930.51,6406.41 h48.36
  text "A" at 9870.21,6406.41 h48.36
  text "B" at -925.51,4281.2 h48.36
  text "B" at 9874.38,4281.2 h48.36
  text "C" at -926.35,2156.83 h48.36
  text "C" at 9873.55,2156.83 h48.36
  text "D" at -928.85,31.62 h48.36
  text "D" at 9871.05,31.62 h48.36
  text "Designer:" at 7751.59,-256.86 h48.36
  text "Title" at 5251.93,-331.06 h48.36
  text "BSPD" at 5646.27,-358.5 h80
  text "Andrew Katz" at 7751.59,-373.02 h48.36
  text "aakatz3@gmail.com" at 7751.59,-456.96 h48.36
  text "Size:" at 5251.93,-530.32 h48.36
  text "Number:" at 5952.3,-530.32 h48.36
  text "Revision:" at 6851.95,-530.32 h48.36
  text "Letter" at 5502.06,-536.99 h57.53
  text "*" at 7751.59,-580.35 h48.36
  text "Date:" at 5251.93,-680.39 h48.36
  text "Time:" at 6101.55,-680.39 h48.36
  text "'.ModifiedTime'" at 6351.68,-680.39 h40
  text "Sheet" at 6851.95,-680.39 h48.36
  text "of" at 7192.13,-680.39 h48.36
  text "*" at 7751.59,-680.39 h48.36
  text "'.ModifiedDate'" at 5537.83,-685.79 h50
  text "1   1" at 7106.72,-690.44 h50
  text "File:" at 5251.93,-780.44 h48.36
  text "'.Pcb_File_Name_No_Path'" at 5484.29,-818.2 h50
  text "1" at 342.66,-930.52 h48.36
  text "2" at 3085.78,-930.52 h48.36
  text "3" at 5838.91,-930.52 h48.36
  text "4" at 8584.53,-930.52 h48.36
  text "1" at -998.23,-991.2 h0.05
  text "1" at -998.23,-991.2 h0.05
  text "1" at -998.23,-991.2 h0.05
  text "2" at -995.48,-991.2 h0.05
  text "2" at -995.48,-991.2 h0.05
  text "2" at -995.48,-991.2 h0.05
  text "3" at -992.73,-991.2 h0.05
  text "3" at -992.73,-991.2 h0.05
  text "3" at -992.73,-991.2 h0.05
  text "4" at -989.98,-991.2 h0.05
  text "4" at -989.98,-991.2 h0.05
  text "4" at -989.98,-991.2 h0.05
  text "A" at -999.5,-992.16 h0.05
  text "A" at -999.5,-992.16 h0.05
  text "A" at -999.5,-992.16 h0.05
  text "A" at -988.7,-992.16 h0.05
  text "A" at -988.7,-992.16 h0.05
  text "A" at -988.7,-992.16 h0.05
  text "B" at -999.5,-994.29 h0.05
  text "B" at -999.5,-994.29 h0.05
  text "B" at -999.5,-994.29 h0.05
  text "B" at -988.7,-994.29 h0.05
  text "B" at -988.7,-994.29 h0.05
  text "B" at -988.7,-994.29 h0.05
  text "C" at -999.5,-996.41 h0.05
  text "C" at -999.5,-996.41 h0.05
  text "C" at -999.5,-996.41 h0.05
  text "C" at -988.7,-996.41 h0.05
  text "C" at -988.7,-996.41 h0.05
  text "C" at -988.7,-996.41 h0.05
  text "D" at -999.5,-998.54 h0.05
  text "D" at -999.5,-998.54 h0.05
  text "D" at -999.5,-998.54 h0.05
  text "File:" at -993.32,-999.35 h0.05
  text "Date:" at -993.32,-999.25 h0.05
  text "Size:" at -993.32,-999.1 h0.05
  text "Title" at -993.32,-998.9 h0.05
  text "File:" at -993.32,-999.35 h0.05
  text "Date:" at -993.32,-999.25 h0.05
  text "Size:" at -993.32,-999.1 h0.05
  text "Title" at -993.32,-998.9 h0.05
  text "File:" at -993.32,-999.35 h0.05
  text "Date:" at -993.32,-999.25 h0.05
  text "Size:" at -993.32,-999.1 h0.05
  text "Title" at -993.32,-998.9 h0.05
  text "Letter" at -993.07,-999.11 h0.06
  text "Letter" at -993.07,-999.11 h0.06
  text "Letter" at -993.07,-999.11 h0.06
  text "Number:" at -992.62,-999.1 h0.05
  text "Number:" at -992.62,-999.1 h0.05
  text "Number:" at -992.62,-999.1 h0.05
  text "Time:" at -992.47,-999.25 h0.05
  text "Time:" at -992.47,-999.25 h0.05
  text "Time:" at -992.47,-999.25 h0.05
  text "11:40:05 PM" at -992.22,-999.25 h0.05
  text "11:40:05 PM" at -992.22,-999.25 h0.05
  text "11:40:05 PM" at -992.22,-999.25 h0.05
  text "Sheet" at -991.72,-999.25 h0.05
  text "Revision:" at -991.72,-999.1 h0.05
  text "Sheet" at -991.72,-999.25 h0.05
  text "Revision:" at -991.72,-999.1 h0.05
  text "Sheet" at -991.72,-999.25 h0.05
  text "Revision:" at -991.72,-999.1 h0.05
  text "of" at -991.38,-999.25 h0.05
  text "of" at -991.38,-999.25 h0.05
  text "of" at -991.38,-999.25 h0.05
  text "*" at -990.82,-999.25 h0.05
  text "*" at -990.82,-999.15 h0.05
  text "*" at -990.82,-999.05 h0.05
  text "*" at -990.82,-998.95 h0.05
  text "*" at -990.82,-998.85 h0.05
  text "*" at -990.82,-999.25 h0.05
  text "*" at -990.82,-999.15 h0.05
  text "*" at -990.82,-999.05 h0.05
  text "*" at -990.82,-998.95 h0.05
  text "*" at -990.82,-998.85 h0.05
  text "*" at -990.82,-999.25 h0.05
  text "*" at -990.82,-999.15 h0.05
  text "*" at -990.82,-999.05 h0.05
  text "*" at -990.82,-998.95 h0.05
  text "*" at -990.82,-998.85 h0.05
  text "D" at -988.7,-998.54 h0.05
  text "D" at -988.7,-998.54 h0.05
  text "D" at -988.7,-998.54 h0.05
  text "1" at -998.23,-999.5 h0.05
  text "1" at -998.23,-999.5 h0.05
  text "1" at -998.23,-999.5 h0.05
  text "2" at -995.48,-999.5 h0.05
  text "2" at -995.48,-999.5 h0.05
  text "2" at -995.48,-999.5 h0.05
  text "3" at -992.73,-999.5 h0.05
  text "3" at -992.73,-999.5 h0.05
  text "3" at -992.73,-999.5 h0.05
  text "4" at -989.98,-999.5 h0.05
  text "4" at -989.98,-999.5 h0.05
  text "4" at -989.98,-999.5 h0.05
Fab Notes:
  drawing of 445 lines, arcs and shapes, not listed
  text "Layer" at 5689.7,5164.32 h47.73
  text "Name" at 6019.91,5164.32 h47.73
  text "Material" at 6763.69,5164.32 h47.73
  text "Thickness" at 7213.19,5164.32 h47.73
  text "Constant" at 7734.28,5164.32 h47.73
  text "Gerber" at 8191.74,5164.32 h47.73
  text "Board Layer Stack" at 8682.06,5164.32 h47.73
  text "Top Overlay" at 6019.91,5068.85 h47.73
  text "GTO" at 8191.74,5068.85 h47.73
  text "Top Solder" at 6019.91,4973.38 h47.73
  text "SM-001" at 6763.69,4973.38 h47.73
  text "1.00mil" at 7213.19,4973.38 h47.73
  text "4" at 7734.28,4973.38 h47.73
  text "GTS" at 8191.74,4973.38 h47.73
  text "1" at 5689.7,4877.91 h47.73
  text "Top Layer" at 6019.91,4877.91 h47.73
  text "Copper" at 6763.69,4877.91 h47.73
  text "1.40mil" at 7213.19,4877.91 h47.73
  text "GTL" at 8191.74,4877.91 h47.73
  text "Dielectric 1" at 6019.91,4782.44 h47.73
  text "FR-4" at 6763.69,4782.44 h47.73
  text "58.00mil" at 7213.19,4782.44 h47.73
  text "4.2" at 7734.28,4782.44 h47.73
  text "2" at 5689.7,4686.97 h47.73
  text "Bottom Layer" at 6019.91,4686.97 h47.73
  text "Copper" at 6763.69,4686.97 h47.73
  text "1.40mil" at 7213.19,4686.97 h47.73
  text "GBL" at 8191.74,4686.97 h47.73
  text "Bottom Solder" at 6019.91,4591.5 h47.73
  text "SM-001" at 6763.69,4591.5 h47.73
  text "1.00mil" at 7213.19,4591.5 h47.73
  text "4" at 7734.28,4591.5 h47.73
  text "GBS" at 8191.74,4591.5 h47.73
  text "Bottom Overlay" at 6019.91,4496.03 h47.73
  text "GBO" at 8191.74,4496.03 h47.73
  text "Total board thickness:" at 5689.7,4400.56 h47.73
  text "62.80mil" at 7213.19,4400.56 h47.73

## Dimensions
100,3390 to -183.08,3673.08 on Bottom Component Outline
0,100 to 3235,100 on Bottom Component Outline
3135,3490 to 3135,0 on Bottom Component Outline

## Text inside footprints (layer, text, board x,y; h text height)
C1: Mechanical 3 "SS 102512, ADDED SILKSCREEN." at 984,1491.02 h1 r90
C2: Mechanical 3 "SS 102512, ADDED SILKSCREEN." at 1584,2632 h1 r90
C3: Mechanical 3 "SS 102512, ADDED SILKSCREEN." at 1669,2613 h1 r90
C5: Mechanical 3 "SS 102512, ADDED SILKSCREEN." at 1594,2387 h1 r90
C6: Mechanical 3 "SS 102512, ADDED SILKSCREEN." at 1704,2373 h1 r90
C10: Mechanical 3 "SS 102512, ADDED SILKSCREEN." at 2881,2588 h1 r270
C11: Mechanical 3 "SS 102512, ADDED SILKSCREEN." at 2191,2493 h1 r270
C12: Mechanical 3 "SS 102512, ADDED SILKSCREEN." at 2406,1968 h1 r270
C13: Mechanical 3 "SS 102512, ADDED SILKSCREEN." at 2486,1968 h1 r270
C14: Mechanical 3 "SS 102512, ADDED SILKSCREEN." at 2832,1316 h1
C15: Mechanical 3 "SS 102512, ADDED SILKSCREEN." at 1816.46,704 h1 r180
C16: Mechanical 3 "SS 102512, ADDED SILKSCREEN." at 914.46,808 h1 r270
C17: Mechanical 3 "SS 102512, ADDED SILKSCREEN." at 1816.46,399 h1 r180
C18: Mechanical 3 "SS 102512, ADDED SILKSCREEN." at 1456.46,809 h1 r180
C19: Mechanical 3 "SS 102512, ADDED SILKSCREEN." at 1176.46,879 h1 r180
C20: Mechanical 3 "SS 102512, ADDED SILKSCREEN." at 468,600.5 h1 r180
C21: Mechanical 3 "SS 102512, ADDED SILKSCREEN." at 713,459 h1 r180
C22: Mechanical 3 "SS 102512, ADDED SILKSCREEN." at 792,436 h1
FB1: Mechanical 3 "HISTORY: 1. MT 090909, UPDATED WITH ASSY & COURTYARD DETAILS. EXTRUDED 3D RE-SIZED BASED ON TDK SMT INDUCTORS." at 715.47,1465.12 h1; Mechanical 3 "2. SS 102512, ADDED SILKSCREEN." at 715.4,1462.75 h1; Mechanical 3 "FOOTPRINT WHERE USED: 1. PASSIVE COMPONENTS/EMI FERRITE BEADS AND CHIPS:SMT INDUCTORS" at 715.47,1460.2 h1
FB2: Mechanical 3 "HISTORY: MT 021011, OLDER FOOTPRINT, SAME SIZE AS 0603_RES FOOTPRINT." at 2907,1790 h1 r180; Mechanical 3 "LOCATION: SURFACEMOUNT2LEAD.PCBLIB" at 2907,1788 h1 r180; Mechanical 3 "SS 102512, ADDED SILKSCREEN." at 2839,1790 h1 r180
MTG1: Mechanical 3 "HISTORY: SS 091913, CREATED PER SPACEX BASIC F/P AND SYMBOL CREATION STANDARDS." at 159,3438 h1; Mechanical 3 "LOCATION: TOOL-TEST-MTG.PCBLIB" at 180,3440 h1
MTG2: Mechanical 3 "HISTORY: SS 091913, CREATED PER SPACEX BASIC F/P AND SYMBOL CREATION STANDARDS." at 2974,3438 h1; Mechanical 3 "LOCATION: TOOL-TEST-MTG.PCBLIB" at 2995,3440 h1
MTG3: Mechanical 3 "HISTORY: SS 091913, CREATED PER SPACEX BASIC F/P AND SYMBOL CREATION STANDARDS." at 2974,363 h1; Mechanical 3 "LOCATION: TOOL-TEST-MTG.PCBLIB" at 2995,365 h1
MTG4: Mechanical 3 "HISTORY: SS 091913, CREATED PER SPACEX BASIC F/P AND SYMBOL CREATION STANDARDS." at 159,363 h1; Mechanical 3 "LOCATION: TOOL-TEST-MTG.PCBLIB" at 180,365 h1
R1: Mechanical 3 "HISTORY: MT 021711, OLDER FOOTPRINT. STANDARD MAX HEIGHT 1.1MM" at 974,1340.11 h1 r90; Mechanical 3 "LOCATION: SURFACEMOUNT2LEAD.PCBLIB" at 972,1340.11 h1 r90; Mechanical 3 "2. SS 102512, ADDED SILKSCREEN." at 976,1340.11 h1 r90
R2: Mechanical 3 "SS 102512, ADDED SILKSCREEN." at 2077.78,2841 h1
R4: Mechanical 3 "SS 102512, ADDED SILKSCREEN." at 2859.86,1539.85 h1 r90
R7: Mechanical 3 "SS 102512, ADDED SILKSCREEN." at 2836.5,1653.85 h1 r270
R15: Mechanical 3 "SS 102512, ADDED SILKSCREEN." at 2737,1134 h1 r180
R17: Mechanical 3 "SS 102512, ADDED SILKSCREEN." at 1914.46,692 h1 r270
R19: Mechanical 3 "SS 102512, ADDED SILKSCREEN." at 1296.28,804.01 h1 r270
R20: Mechanical 3 "SS 102512, ADDED SILKSCREEN." at 2173,1186 h1
R22: Mechanical 3 "SS 102512, ADDED SILKSCREEN." at 937.46,693 h1 r90
R24: Mechanical 3 "HISTORY: MT 021711, OLDER FOOTPRINT. STANDARD MAX HEIGHT 1.1MM" at 1671.46,1011 h1; Mechanical 3 "LOCATION: SURFACEMOUNT2LEAD.PCBLIB" at 1671.46,1013 h1; Mechanical 3 "2. SS 102512, ADDED SILKSCREEN." at 1671.46,1009 h1
R25: Mechanical 3 "SS 102512, ADDED SILKSCREEN." at 1973,307.3 h1
R26: Mechanical 3 "SS 102512, ADDED SILKSCREEN." at 1805.46,255.3 h1 r180
R28: Mechanical 3 "SS 102512, ADDED SILKSCREEN." at 701,367 h1 r270
R29: Mechanical 3 "SS 102512, ADDED SILKSCREEN." at 569,188 h1 r90
R30: Mechanical 3 "SS 102512, ADDED SILKSCREEN." at 581.46,126 h1
R31: Mechanical 3 "SS 102512, ADDED SILKSCREEN." at 887.31,74 h1 r180
R32: Mechanical 3 "SS 102512, ADDED SILKSCREEN." at 1004,158 h1 r90
R33: Mechanical 3 "SS 102512, ADDED SILKSCREEN." at 1136,272 h1 r270